# Altium PCB 4-PortUsbHub_PCB.PcbDoc (part 2 of 2)
Units mm, origin at the board's own origin, x right, y up, seen from the top; angles counter-clockwise.
Board outline 151.29 x 151.31 mm, 4 copper layers (L1 (Signal), L2 (GND), L3 (GND), L4 (Signal)), stack 1.591 mm thick; 58 components, 33 nets, 176 pads, 921 vias.
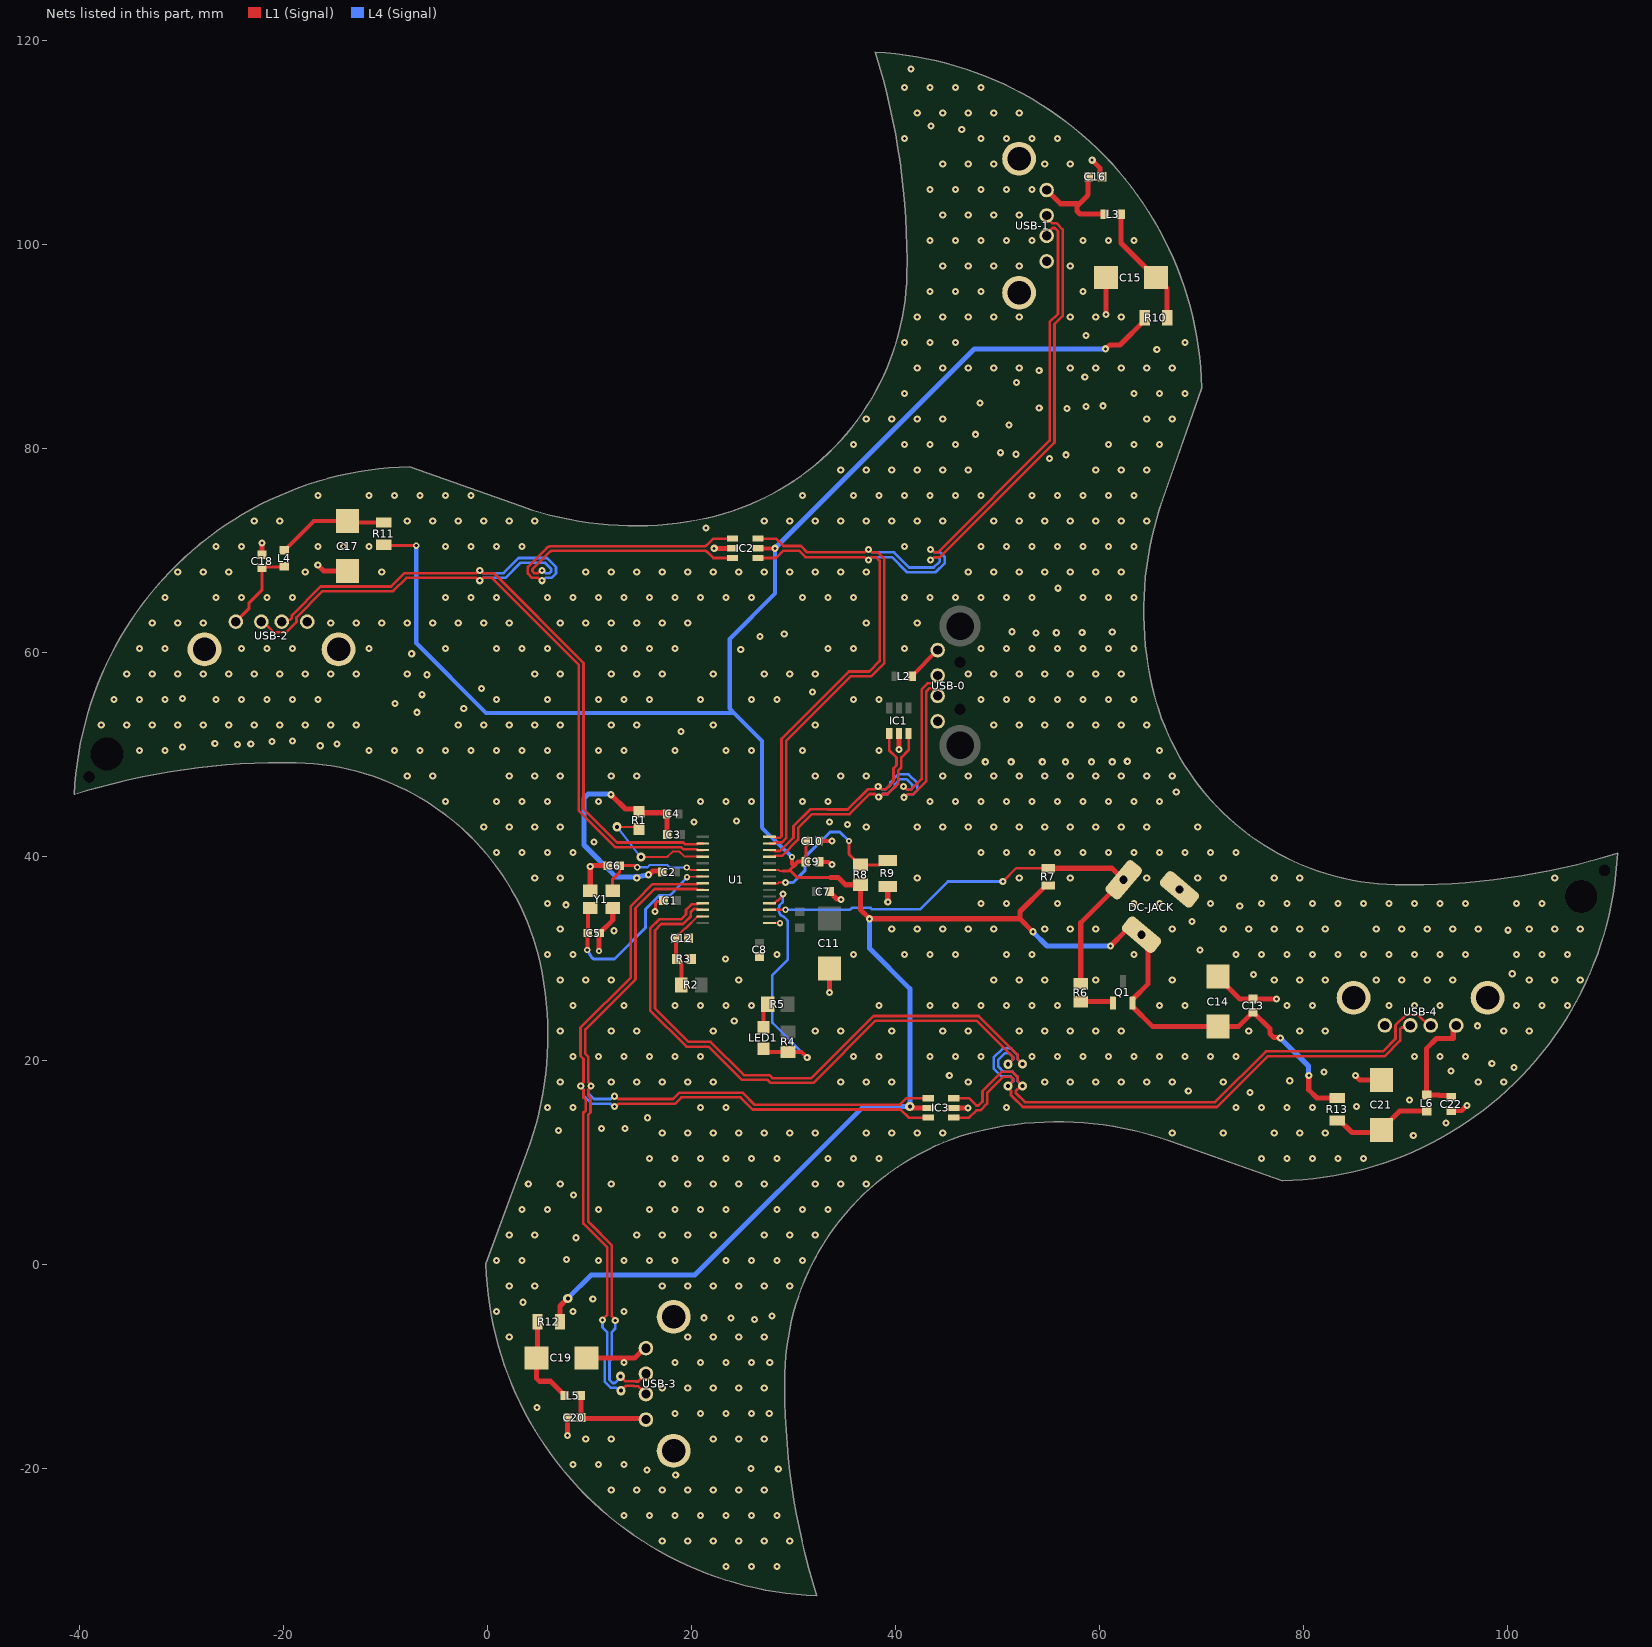
[diagram p4: the nets of this part, all layers, seen from the top]

## Via types
v1: diameter 0.7, hole 0.3, L1 (Signal) to L4 (Signal), 901 vias
v2: diameter 0.6, hole 0.3, L1 (Signal) to L4 (Signal), 10 vias
v3: diameter 0.9, hole 0.4, L1 (Signal) to L4 (Signal), 10 vias

## Nets (pads, with @x,y where several pads share a name; then routed paths per layer and width w, separated by ;. In a path a pad name is that pad's centre, name@x,y a point inside that pad or via, vN(x,y) a via of type N, cw(c..) or ccw(c..) an arc to the next point about the centre after c; other vN are vias at no path point) (continued)
GND: C1.1 C2.1 C3.1 C4.2 C5.1 C6.1 C7.1 C8.2 C9.1 C10.2 C11.2 C12.1 C13.2 C14.1 C15.2 C16.1 C17.2 C18.1 C19.2 C20.1 C21.2 C22.1 DC-JACK.2 IC1.2 IC2.2 IC3.2 R1.1 R3.2 R9.1 U1.15 USB-0.4 USB-1.04 USB-1.S1 USB-1.S2 USB-2.04 USB-2.S1 USB-2.S2 USB-3.04 USB-3.S1 USB-3.S2 USB-4.04 USB-4.S1 USB-4.S2 Y1.2 Y1.4 | length 80
  L1 (Signal) w0.2: U1.15@27.623,33.47 28.148,33.46 v2(28.641,33.453)
  L1 (Signal) w0.3: v1(16.372,34.596) 16.434,34.657 16.434,35.396 16.599,35.561 17.119,35.561 C1.1@17.221,35.663
  L1 (Signal) w0.4: C10.2@32.426,41.505 v1(33.746,41.505) ; C9.1@32.476,39.473 33.411,39.473 33.665,39.219 v1(33.746,39.219)
  L1 (Signal) w0.5: C18.1@-22.134,69.587 v1(-22.134,70.715) ; v1(-16.673,68.556) -16.091,67.974 C17.2@-13.752,67.974 ; v1(7.823,-16.788) C20.1@7.823,-15.01 ; C19.2@9.653,-9.168 14.39,-9.168 15.35,-8.208 USB-3.04@15.5,-8.208 ; Y1.2@10.04,36.64 v1(10.04,39.008) 10.094,39.008 10.178,39.092 C6.1@11.764,39.092 ; v2(10.886,30.71) 10.886,32.332 C5.1@10.955,32.488 10.978,32.488 12.24,33.75 Y1.4@12.24,34.94 ; v1(12.08,46.051) 13.488,44.643 14.567,44.643 R1.1@14.823,44.388 14.931,44.28 17.417,44.28 C4.2@17.525,44.172 17.556,44.141 17.556,42.171 C3.1@17.587,42.14 ; v1(15.763,38.203) 15.817,38.203 16.172,38.558 16.992,38.558 C2.1@17.094,38.457 C2.1@17.042,38.411 ; C12.1@19.522,31.838 C12.1@19.664,31.98 ; R3.2@19.719,30.165 R3.2@19.937,29.948 ; v1(22.189,70.207) IC2.2@23.987,70.207 ; v1(33.492,26.646) C11.2@33.492,29.022 ; C7.1@33.492,36.752 C7.1@33.507,36.552 33.507,36.527 34.206,35.828 34.597,35.828 v1(34.635,35.79) ; v1(39.207,35.536) R9.1@39.207,37.055 ; v1(40.299,50.496) IC1.2@40.299,52.04 ; IC3.2@45.664,15.343 v1(47.081,15.343) ; v1(59.248,108.256) 60.027,107.476 60.027,106.805 C16.1@60.202,106.63 ; v1(60.596,93.12) C15.2@60.596,96.75 ; C14.1@71.592,28.207 71.592,28.157 73.723,26.026 C13.2@75.021,26.026 77.292,26.026 v1(77.307,26.011) ; USB-4.S2@84.614,25.884 USB-4.S2@84.868,26.138 USB-4.S2@85.048,26.138 ; v1(85.054,18.518) 85.488,18.084 C21.2@87.594,18.084 ; USB-4.04@87.758,23.428 USB-4.04@87.938,23.428 ; C22.1@94.452,15.074 95.453,15.074 v1(95.976,15.597)
  L4 (Signal) w0.5: v1(12.08,46.051) 12.004,46.127 9.845,46.127 9.413,45.696 9.413,41.124 12.537,37.999 14.414,37.999 ccw(c14.414,38.499) 14.471,38.003 14.787,38.039 ccw(c14.696,38.838) 14.83,38.045 v1(15.763,38.203)
  other v1: 23.347,-29.616 25.847,-29.616 28.347,-29.616 17.097,-27.116 19.597,-27.116 22.097,-27.116 24.597,-27.116 27.097,-27.116 29.597,-27.116 13.347,-24.616 15.847,-24.616 18.347,-24.616 20.847,-24.616 23.347,-24.616 25.847,-24.616 28.347,-24.616 12.097,-22.116 14.597,-22.116 17.097,-22.116 19.597,-22.116 22.097,-22.116 24.597,-22.116 27.097,-22.116 18.415,-20.65 15.596,-20.168 28.473,-20.066 25.806,-20.015 8.347,-19.616 10.847,-19.616 13.347,-19.616 9.597,-17.116 12.097,-17.116 22.097,-17.116 24.597,-17.116 27.097,-17.116 27.584,-14.63 18.347,-14.616 20.847,-14.616 23.347,-14.616 25.847,-14.616 4.801,-14.021 17.097,-12.116 19.597,-12.116 22.097,-12.116 24.597,-12.116 27.097,-12.116 27.635,-9.627 13.347,-9.616 18.347,-9.616 20.847,-9.616 23.347,-9.616 25.847,-9.616 2.097,-7.116 19.597,-7.116 22.097,-7.116 24.597,-7.116 27.097,-7.116 26.137,-5.385 23.825,-5.258 21.184,-5.232 27.838,-5.055 0.847,-4.616 8.347,-4.616 13.347,-4.616 3.454,-3.708 10.287,-3.378 2.097,-2.116 4.597,-2.116 17.097,-2.116 19.597,-2.116 22.097,-2.116 24.597,-2.116 27.097,-2.116 29.597,-2.116 0.847,0.384 3.347,0.384 10.847,0.384 13.347,0.384 15.847,0.384 18.347,0.384 23.347,0.384 25.847,0.384 28.347,0.384 30.847,0.384 7.722,0.483 8.636,2.616 2.097,2.884 4.597,2.884 14.597,2.884 17.097,2.884 19.597,2.884 22.097,2.884 27.097,2.884 29.597,2.884 32.097,2.884 3.347,5.384 5.847,5.384 10.847,5.384 15.847,5.384 18.347,5.384 20.847,5.384 23.347,5.384 28.347,5.384 30.847,5.384 33.347,5.384 8.382,6.807 3.962,7.899 7.097,7.884 12.097,7.884 17.097,7.884 19.597,7.884 22.097,7.884 24.597,7.884 27.097,7.884 32.097,7.884 34.597,7.884 37.097,7.884 15.847,10.384 18.347,10.384 20.847,10.384 23.347,10.384 25.847,10.384 28.347,10.384 33.347,10.384 35.847,10.384 38.347,10.384 75.847,10.384 78.347,10.384 80.847,10.384 83.347,10.384 85.847,10.384 90.729,12.624 17.097,12.884 19.597,12.884 22.097,12.884 24.597,12.884 27.097,12.884 29.597,12.884 32.097,12.884 37.097,12.884 39.597,12.884 42.097,12.884 44.597,12.884 67.097,12.884 72.097,12.884 77.097,12.884 79.597,12.884 82.097,12.884 6.909,13.132 13.437,13.31 11.151,13.335 93.929,13.868 15.646,14.376 5.847,15.384 8.347,15.384 20.847,15.384 23.347,15.384 50.847,15.384 73.347,15.384 75.847,15.384 78.347,15.384 80.847,15.384 85.166,15.469 90.348,16.129 74.701,16.866 68.669,16.987 7.097,17.884 12.097,17.884 14.597,17.884 17.097,17.884 19.597,17.884 22.097,17.884 34.597,17.884 37.097,17.884 39.597,17.884 47.097,17.884 54.597,17.884 57.097,17.884 59.597,17.884 62.097,17.884 64.597,17.884 67.097,17.884 72.097,17.884 97.097,17.884 99.597,17.884 78.613,18.009 45.237,18.517 81.966,18.847 94.412,18.974 100.584,19.304 98.425,19.685 8.347,20.384 10.847,20.384 13.347,20.384 15.847,20.384 18.347,20.384 20.847,20.384 35.847,20.384 38.347,20.384 43.347,20.384 45.847,20.384 48.347,20.384 53.347,20.384 55.847,20.384 58.347,20.384 60.847,20.384 63.347,20.384 65.847,20.384 68.347,20.384 70.847,20.384 73.347,20.384 90.847,20.384 93.347,20.384 95.847,20.384 7.097,22.884 12.097,22.884 14.597,22.884 22.097,22.884 32.097,22.884 34.597,22.884 39.597,22.884 44.597,22.884 47.097,22.884 52.097,22.884 54.597,22.884 57.097,22.884 59.597,22.884 62.097,22.884 74.597,22.884 79.597,22.884 82.097,22.884 99.597,22.884 102.097,22.884 97.028,23.393 24.155,23.851 8.347,25.384 13.347,25.384 18.347,25.384 20.847,25.384 23.347,25.384 25.847,25.384 38.347,25.384 43.347,25.384 45.847,25.384 48.347,25.384 50.847,25.384 53.347,25.384 55.847,25.384 65.847,25.384 68.347,25.384 78.347,25.384 80.847,25.384 88.347,25.384 90.847,25.384 93.347,25.384 100.847,25.384 103.347,25.384 105.847,25.384 7.097,27.884 9.597,27.884 12.097,27.884 24.597,27.884 49.597,27.884 52.097,27.884 54.597,27.884 59.597,27.884 67.097,27.884 77.097,27.884 79.597,27.884 82.097,27.884 87.097,27.884 89.597,27.884 92.097,27.884 94.597,27.884 102.097,27.884 104.597,27.884 107.097,27.884 75.057,28.423 100.432,28.499 23.307,29.948 5.847,30.384 8.347,30.384 28.347,30.384 35.847,30.384 40.847,30.384 43.347,30.384 45.847,30.384 50.847,30.384 53.347,30.384 63.347,30.384 73.347,30.384 75.847,30.384 78.347,30.384 80.847,30.384 83.347,30.384 85.847,30.384 88.347,30.384 90.847,30.384 93.347,30.384 95.847,30.384 100.847,30.384 103.347,30.384 105.847,30.384 69.799,30.836 12.37,32.715 100,32.766 7.097,32.884 39.597,32.884 42.097,32.884 44.597,32.884 47.097,32.884 49.597,32.884 54.597,32.884 57.097,32.884 59.597,32.884 67.097,32.884 72.097,32.884 74.597,32.884 77.097,32.884 79.597,32.884 82.097,32.884 87.097,32.884 89.597,32.884 92.097,32.884 94.597,32.884 97.097,32.884 102.097,32.884 104.597,32.884 107.097,32.884 69.037,33.604 73.711,35.128 7.671,35.255 5.847,35.384 48.347,35.384 50.847,35.384 55.847,35.384 63.347,35.384 65.847,35.384 70.847,35.384 75.847,35.384 78.347,35.384 80.847,35.384 83.347,35.384 85.847,35.384 88.347,35.384 90.847,35.384 93.347,35.384 95.847,35.384 100.847,35.384 103.347,35.384 4.597,37.884 7.097,37.884 14.597,37.884 42.097,37.884 52.097,37.884 57.097,37.884 64.597,37.884 69.597,37.884 72.097,37.884 77.097,37.884 79.597,37.884 104.597,37.884 0.847,40.384 3.347,40.384 5.847,40.384 8.347,40.384 48.347,40.384 50.847,40.384 53.347,40.384 55.847,40.384 58.347,40.384 60.847,40.384 63.347,40.384 65.847,40.384 68.347,40.384 70.847,40.384 73.347,40.384 10.414,41.402 -0.403,42.884 2.097,42.884 4.597,42.884 7.097,42.884 37.097,42.884 42.097,42.884 44.597,42.884 47.097,42.884 49.597,42.884 52.097,42.884 54.597,42.884 57.097,42.884 59.597,42.884 62.097,42.884 64.597,42.884 69.597,42.884 35.255,43.129 20.218,43.358 33.503,43.383 24.384,43.459 -4.153,45.384 0.847,45.384 3.347,45.384 5.847,45.384 10.847,45.384 20.847,45.384 23.347,45.384 25.847,45.384 30.847,45.384 33.347,45.384 43.347,45.384 45.847,45.384 48.347,45.384 50.847,45.384 53.347,45.384 55.847,45.384 58.347,45.384 60.847,45.384 63.347,45.384 65.847,45.384 67.488,46.33 -7.903,47.884 -5.403,47.884 2.097,47.884 4.597,47.884 7.097,47.884 12.097,47.884 14.597,47.884 32.097,47.884 34.597,47.884 37.097,47.884 44.597,47.884 47.097,47.884 49.597,47.884 52.097,47.884 54.597,47.884 57.097,47.884 59.597,47.884 62.097,47.884 64.597,47.884 67.097,47.884 48.768,49.276 51.308,49.276 54.356,49.276 56.642,49.276 59.182,49.276 61.214,49.276 62.687,49.327 -34.153,50.384 -31.653,50.384 -11.653,50.384 -9.153,50.384 -6.653,50.384 -4.153,50.384 -1.653,50.384 0.847,50.384 3.347,50.384 5.847,50.384 10.847,50.384 13.347,50.384 18.347,50.384 23.347,50.384 25.847,50.384 30.847,50.384 38.347,50.384 65.847,50.384 -29.947,50.724 -16.434,50.851 -24.562,50.978 -23.241,51.029 -14.808,51.029 -26.772,51.054 -21.158,51.257 -19.152,51.308 18.948,52.248 -37.903,52.884 -35.403,52.884 -32.903,52.884 -30.403,52.884 -27.903,52.884 -25.403,52.884 -22.903,52.884 -20.403,52.884 -17.903,52.884 -15.403,52.884 -12.903,52.884 -2.903,52.884 -0.403,52.884 2.097,52.884 4.597,52.884 7.097,52.884 12.097,52.884 14.597,52.884 22.097,52.884 32.097,52.884 49.597,52.884 52.097,52.884 54.597,52.884 57.097,52.884 59.597,52.884 62.097,52.884 64.597,52.884 -6.934,54.127 -2.362,54.508 -9.119,54.991 -36.653,55.384 -34.153,55.384 -31.653,55.384 -26.653,55.384 -24.153,55.384 -21.653,55.384 -19.153,55.384 -16.653,55.384 0.847,55.384 5.847,55.384 10.847,55.384 13.347,55.384 15.847,55.384 20.847,55.384 25.847,55.384 28.347,55.384 35.847,55.384 38.347,55.384 48.347,55.384 50.847,55.384 53.347,55.384 55.847,55.384 58.347,55.384 60.847,55.384 63.347,55.384 -29.921,55.474 -6.452,55.855 31.826,56.109 -0.635,56.464 -5.969,57.81 -35.403,57.884 -32.903,57.884 -30.403,57.884 -27.903,57.884 -25.403,57.884 -22.903,57.884 -20.403,57.884 -17.903,57.884 -15.403,57.884 -12.903,57.884 -7.903,57.884 4.597,57.884 7.097,57.884 12.097,57.884 14.597,57.884 17.097,57.884 22.097,57.884 27.097,57.884 29.597,57.884 32.097,57.884 47.097,57.884 49.597,57.884 52.097,57.884 54.597,57.884 57.097,57.884 59.597,57.884 62.097,57.884 -7.468,59.868 24.79,60.274 -34.153,60.384 -31.653,60.384 -24.153,60.384 -21.653,60.384 -19.153,60.384 -11.653,60.384 -4.153,60.384 0.847,60.384 3.347,60.384 5.847,60.384 10.847,60.384 13.347,60.384 15.847,60.384 18.347,60.384 33.347,60.384 35.847,60.384 40.847,60.384 48.347,60.384 50.847,60.384 53.347,60.384 55.847,60.384 58.347,60.384 60.847,60.384 63.347,60.384 26.67,61.544 29.058,61.798 53.746,61.9 55.728,61.925 58.268,61.951 61.214,62.001 51.384,62.027 -32.903,62.884 -30.403,62.884 -27.903,62.884 -15.403,62.884 -12.903,62.884 -10.403,62.884 -7.903,62.884 -5.403,62.884 -2.903,62.884 -0.403,62.884 2.097,62.884 7.097,62.884 9.597,62.884 12.097,62.884 14.597,62.884 17.097,62.884 19.597,62.884 37.097,62.884 42.097,62.884 -31.653,65.384 -26.653,65.384 -24.153,65.384 -21.653,65.384 -19.153,65.384 -4.153,65.384 -1.653,65.384 0.847,65.384 5.847,65.384 8.347,65.384 10.847,65.384 13.347,65.384 15.847,65.384 18.347,65.384 20.847,65.384 23.347,65.384 25.847,65.384 30.847,65.384 33.347,65.384 35.847,65.384 40.847,65.384 43.347,65.384 45.847,65.384 48.347,65.384 50.847,65.384 53.347,65.384 58.347,65.384 60.847,65.384 63.347,65.384 55.88,66.294 -30.403,67.884 -27.903,67.884 -25.403,67.884 -17.903,67.884 -10.403,67.884 9.597,67.884 12.097,67.884 14.597,67.884 17.097,67.884 19.597,67.884 22.097,67.884 24.597,67.884 27.097,67.884 29.597,67.884 32.097,67.884 34.597,67.884 37.097,67.884 47.097,67.884 49.597,67.884 52.097,67.884 54.597,67.884 57.097,67.884 59.597,67.884 62.097,67.884 -26.653,70.384 -24.153,70.384 -16.653,70.384 -14.153,70.384 -11.653,70.384 -4.153,70.384 -1.653,70.384 0.847,70.384 3.347,70.384 40.847,70.384 48.347,70.384 50.847,70.384 53.347,70.384 55.847,70.384 58.347,70.384 60.847,70.384 63.347,70.384 21.387,72.187 -22.903,72.884 -20.403,72.884 -7.903,72.884 -5.403,72.884 -2.903,72.884 -0.403,72.884 2.097,72.884 4.597,72.884 27.097,72.884 29.597,72.884 32.097,72.884 34.597,72.884 37.097,72.884 39.597,72.884 42.097,72.884 44.597,72.884 49.597,72.884 52.097,72.884 54.597,72.884 57.097,72.884 59.597,72.884 62.097,72.884 64.597,72.884 -16.653,75.384 -11.653,75.384 -9.153,75.384 -6.653,75.384 -4.153,75.384 -1.653,75.384 30.847,75.384 35.847,75.384 38.347,75.384 40.847,75.384 43.347,75.384 45.847,75.384 48.347,75.384 53.347,75.384 55.847,75.384 58.347,75.384 60.847,75.384 63.347,75.384 34.597,77.884 37.097,77.884 39.597,77.884 42.097,77.884 44.597,77.884 47.097,77.884 59.597,77.884 62.097,77.884 64.597,77.884 55.067,78.994 56.693,79.375 51.791,79.426 50.241,79.578 35.847,80.384 40.847,80.384 43.347,80.384 45.847,80.384 60.847,80.384 63.347,80.384 65.847,80.384 47.803,81.382 51.105,82.296 37.097,82.884 39.597,82.884 42.097,82.884 44.597,82.884 64.597,82.884 67.097,82.884 56.769,83.922 54.051,83.947 58.623,84.125 60.3,84.176 48.235,84.455 40.847,85.384 63.347,85.384 65.847,85.384 68.347,85.384 51.816,86.462 58.522,86.995 54.051,87.655 42.097,87.884 44.597,87.884 47.097,87.884 49.597,87.884 52.097,87.884 57.097,87.884 59.597,87.884 62.097,87.884 64.597,87.884 67.097,87.884 65.583,89.713 40.847,90.384 43.347,90.384 45.847,90.384 68.347,90.384 58.649,91.084 42.097,92.884 44.597,92.884 47.097,92.884 49.597,92.884 52.097,92.884 57.097,92.884 59.597,92.884 62.097,92.884 43.347,95.384 45.847,95.384 48.347,95.384 58.347,95.384 44.597,97.884 47.097,97.884 49.597,97.884 52.097,97.884 57.097,97.884 43.347,100.384 45.847,100.384 48.347,100.384 50.847,100.384 53.347,100.384 58.347,100.384 60.847,100.384 63.347,100.384 44.597,102.884 47.097,102.884 49.597,102.884 52.097,102.884 43.347,105.384 45.847,105.384 48.347,105.384 50.847,105.384 53.347,105.384 44.597,107.884 47.097,107.884 49.597,107.884 54.597,107.884 57.097,107.884 40.847,110.384 48.347,110.384 50.847,110.384 53.347,110.384 55.847,110.384 46.457,111.252 43.434,111.608 42.097,112.884 44.597,112.884 47.097,112.884 49.597,112.884 52.097,112.884 40.847,115.384 43.347,115.384 45.847,115.384 48.347,115.384 41.478,117.196
LED: LED1.2 R5.1 | length 2.4
  L1 (Signal) w0.4: LED1.2@27.015,23.251 27.015,25.081 R5.1@27.437,25.503
MOSFET: Q1.1 R6.1 | length 3.3
  L1 (Signal) w0.5: R6.1@58.13,25.757 61.255,25.757 61.305,25.707 Q1.1@61.305,25.63
NOISE_PREV_1: C15.1 L3.1 R10.2 | length 12.1
  L1 (Signal) w0.5: L3.1@62.067,102.973 62.067,100.129 65.446,96.75 C15.1@65.496,96.75 65.546,96.75 66.596,95.7 R10.2@66.596,92.813
NOISE_PREV_2: C17.1 L4.1 R11.2 | length 11
  L1 (Signal) w0.4: L4.1@-19.975,70.011 -19.93,70.011 -17.067,72.874 C17.1@-13.752,72.874 -13.625,72.747 R11.2@-10.196,72.747
NOISE_PREV_3: C19.1 L5.1 R12.2 | length 9.1
  L1 (Signal) w0.5: R12.2@4.876,-5.612 4.876,-9.045 C19.1@4.753,-9.168 4.753,-11.161 5.046,-11.454 6.129,-11.454 7.311,-12.636 7.356,-12.636 7.526,-12.806 L5.1@7.526,-12.851
NOISE_PREV_4: C21.1 L6.1 R13.2 | length 10.1
  L1 (Signal) w0.5: R13.2@83.276,14.116 83.526,14.116 84.712,12.93 87.29,12.93 89.391,15.03 L6.1@92.039,15.03
OVCUR1#: R8.1 R9.2 U1.21 | length 16.7
  L1 (Signal) w0.2: U1.21@27.623,37.37 27.633,37.36 28.458,37.36 28.539,37.441 v1(29.174,37.441)
  L1 (Signal) w0.3: v2(35.397,41.505) 35.397,40.221 36.438,39.18 R8.1@36.54,39.18 38.407,39.18 38.832,39.605 R9.2@39.207,39.605
  L4 (Signal) w0.3: v1(29.174,37.441) 29.936,37.441 31.079,38.584 31.079,39.904 33.569,42.394 34.508,42.394 v2(35.397,41.505)
PGANG: LED1.1 R4.1 U1.18 | length 25
  L1 (Signal) w0.25: U1.18@27.623,35.42 28.108,35.42 28.323,35.635 28.383,35.635 28.834,36.086 28.834,36.212 v1(28.92,36.298)
  L1 (Signal) w0.4: LED1.1@27.015,21.151 27.346,20.82 R4.1@29.428,20.82 30.753,20.82 31.302,20.27 v1(31.308,20.27)
  L4 (Signal) w0.25: 27.934,23.644 v1(31.308,20.27) ; 27.933,23.645 cw(c28.111,23.821) 27.861,23.821 27.871,26.999 ccw(c27.142,27.001) 27.871,27.008 27.861,28.035 cw(c28.59,28.043) 27.861,28.043 27.861,28.241 cw(c28.111,28.241) 27.934,28.418 29.415,29.899 29.415,33.682 29.061,34.036 ccw(c28.884,33.859) 29.011,34.075 28.825,34.185 28.822,34.186 cw(c29.17,34.77) 28.508,34.922 28.551,35.109 cw(c28.795,35.053) 28.618,35.23 28.92,35.532 v1(28.92,36.298)
PSELF: DC-JACK.3 R6.2 R7.1 U1.17 | length 48.9
  L1 (Signal) w0.25: U1.17@27.623,34.77 v2(29.17,34.77) ; v1(50.485,37.542) 51.78,38.838 R7.1@54.955,38.838
  L1 (Signal) w0.5: R7.1@54.955,38.838 61.201,38.838 DC-JACK.3@62.333,37.706 58.13,33.503 R6.2@58.13,27.507
  L4 (Signal) w0.25: v2(29.17,34.77) 35.419,34.774 ccw(c35.42,35.024) 35.597,34.847 35.702,34.951 37.533,34.951 37.678,34.807 42.364,34.807 45.1,37.542 v1(50.485,37.542)
RESET#: C12.2 R2.1 R3.1 U1.13 | length 8.4
  L1 (Signal) w0.2: C12.2@18.364,31.98 18.364,32.005 19.296,32.937 19.375,32.937 20.558,34.12 U1.13@21.073,34.12
  L1 (Signal) w0.4: C12.2@18.364,31.98 18.435,31.909 18.435,30.019 R3.1@18.506,29.948 18.506,29.934 18.965,29.475 R2.1@18.965,27.408
RREF: R1.2 U1.4 | length 12.5
  L1 (Signal) w0.2: v3(12.664,42.902) 14.607,42.902 R1.2@14.823,42.686 ; v3(15.001,39.93) 17.528,39.951 ccw(c17.527,40.151) 17.7,40.052 18.113,40.464 18.789,40.464 19.284,39.97 U1.4@21.073,39.97
  L4 (Signal) w0.2: v3(12.664,42.902) v3(15.001,39.93)
USB_0_VCC: L2.1 USB-0.1 | length 3.6
  L1 (Signal) w0.4: L2.1@41.577,57.659 41.577,57.704 44.094,60.221 USB-0.1@44.094,60.233
USB_1_VCC: C16.2 L3.2 USB-1.01 | length 10.7
  L1 (Signal) w0.5: USB-1.01@54.786,105.334 56.131,103.989 58.003,103.989 ; C16.2@58.89,106.455 C16.2@59.065,106.63 ; C16.2@58.902,106.63 58.841,106.569 58.841,105.034 cw(c58.341,105.034) 58.695,104.68 58.003,103.989 ; L3.2@60.485,102.973 58.042,102.973 57.749,103.266 57.749,103.735 58.003,103.989
USB_2_VCC: C18.2 L4.2 USB-2.01 | length 8.6
  L1 (Signal) w0.3: USB-2.01@-24.711,63.011 -23.404,64.318 -23.404,64.873 -22.134,66.143 C18.2@-22.134,68.287 -22.063,68.358 -20.046,68.358 L4.2@-19.975,68.429
USB_3_VCC: C20.2 L5.2 USB-3.01 | length 8.6
  L1 (Signal) w0.5: L5.2@9.108,-12.851 9.115,-12.859 9.115,-15.003 C20.2@9.123,-15.01 9.222,-15.109 15.401,-15.109 USB-3.01@15.5,-15.208
USB_4_VCC: C22.2 L6.2 USB-4.01 | length 11.5
  L1 (Signal) w0.5: C22.2@94.452,16.374 94.277,16.549 93.318,16.549 93.254,16.613 L6.2@92.039,16.613 92.039,21.185 93.013,22.159 94.645,22.159 94.645,23.135 USB-4.01@94.938,23.428
USB_D0_N: IC1.3 U1.25 USB-0.2 | length 41.2
  L1 (Signal) w0.261: U1.25@27.623,39.97 28.097,39.97 28.19,40.063 28.833,40.063 30.423,41.652 30.423,42.771 31.797,44.145 33.114,44.145 33.12,44.139 35.463,44.139 37.435,46.111 37.946,46.111 38.234,45.823 v1(38.318,45.823) 38.402,45.823 38.69,46.111 39.194,46.111 40.234,47.151 40.234,48.444 40.531,48.741 40.531,49.69 41.249,50.407 IC1.3@41.249,52.04 ; v1@40.533,46.745 ccw(c40.428,46.984) 40.54,46.748 v1(40.731,46.839) 40.815,46.839 41.103,46.55 41.481,46.55 42.522,47.591 42.522,56.384 43.103,56.965 43.512,56.965 44.094,57.547 USB-0.2@44.094,57.733
  L4 (Signal) w0.261: v1(38.318,45.823) 38.402,45.823 38.69,46.111 39.194,46.111 39.917,46.834 39.917,47.073 40.424,47.58 41.038,47.58 41.634,46.984 41.634,46.703 41.481,46.55 41.103,46.55 40.815,46.839 v1(40.731,46.839)
USB_D0_P: IC1.1 U1.26 USB-0.3 | length 41.7
  L1 (Signal) w0.261: U1.26@27.623,40.62 28.097,40.62 28.19,40.527 28.641,40.527 29.959,41.844 29.959,42.963 31.605,44.609 33.307,44.609 33.312,44.603 35.271,44.603 37.243,46.576 37.895,46.576 38.183,46.864 v1(38.267,46.864) 38.351,46.864 38.64,46.576 39.002,46.576 39.77,47.344 39.77,48.636 40.067,48.933 40.067,49.69 39.349,50.407 IC1.1@39.349,52.04 ; v1(40.782,45.797) 40.866,45.797 41.154,46.086 41.673,46.086 42.986,47.399 42.986,56.192 43.296,56.501 43.512,56.501 44.094,55.92 USB-0.3@44.094,55.733
  L4 (Signal) w0.261: v1(38.267,46.864) 38.351,46.864 38.64,46.576 39.002,46.576 39.452,47.026 39.452,47.266 40.231,48.045 41.23,48.045 42.098,47.177 42.098,46.511 41.673,46.086 41.154,46.086 40.866,45.797 v1(40.782,45.797)
USB_D1_N: IC2.6 U1.27 USB-1.02 | length 97.6
  L1 (Signal) w0.261: IC2.6@26.487,71.157 28.247,71.157 28.965,70.439 30.676,70.439 31.311,69.804 36.93,69.804 37.205,70.08 v1(37.302,70.08) 37.398,70.08 37.674,69.804 38.229,69.804 38.874,69.158 38.874,58.949 37.595,57.67 35.582,57.67 29.747,51.835 29.25,51.338 29.25,41.787 28.825,41.363 28.19,41.363 28.097,41.27 U1.27@27.623,41.27 ; v1(43.398,69.064) 43.494,69.064 43.77,69.34 44.325,69.34 55.546,80.561 55.546,92.179 56.356,92.988 56.356,101.484 55.774,102.066 55.365,102.066 54.786,102.645 USB-1.02@54.786,102.834
  L4 (Signal) w0.261: v1(37.302,70.08) 37.398,70.08 37.674,69.804 39.819,69.804 41.301,68.322 43.705,68.322 44.314,68.931 44.314,69.187 44.161,69.34 43.77,69.34 43.494,69.064 v1(43.398,69.064)
USB_D1_P: IC2.4 U1.28 USB-1.03 | length 96
  L1 (Signal) w0.261: IC2.4@26.487,69.257 28.247,69.257 28.965,69.975 30.484,69.975 31.119,69.34 36.93,69.34 37.205,69.064 v1(37.302,69.064) 37.398,69.064 37.674,69.34 38.036,69.34 38.41,68.966 38.41,59.142 37.403,58.135 35.39,58.135 29.555,52.3 28.785,51.53 28.785,41.98 28.632,41.827 28.19,41.827 28.097,41.92 U1.28@27.623,41.92 ; v1(43.398,70.08) 43.494,70.08 43.77,69.804 44.132,69.804 55.082,80.753 55.082,92.371 55.892,93.181 55.892,101.292 55.582,101.602 55.365,101.602 54.786,101.022 USB-1.03@54.786,100.834
  L4 (Signal) w0.261: v1(37.302,69.064) 37.398,69.064 37.674,69.34 39.627,69.34 41.108,67.858 43.897,67.858 44.778,68.738 44.778,69.379 44.353,69.804 43.77,69.804 43.494,70.08 v1(43.398,70.08)
USB_D2_N: IC2.3 U1.3 USB-2.02 | length 97.2
  L1 (Signal) w0.261: USB-2.02@-22.211,63.011 -22.023,63.011 -20.978,61.966 -19.778,61.966 -18.756,62.989 -18.756,63.443 -16.195,66.004 -9.284,66.004 -7.981,67.308 -2.805,67.308 -1.17,67.308 -0.895,67.032 v1(-0.798,67.032) -0.702,67.032 -0.426,67.308 0.385,67.308 8.916,58.777 8.916,44.469 12.49,40.895 18.968,40.895 19.15,40.713 20.506,40.713 20.599,40.62 U1.3@21.073,40.62 ; v1(5.298,68.048) 5.201,68.048 4.926,67.772 4.535,67.772 4.382,67.925 4.382,68.181 6.078,69.876 cw(c6.262,69.692) 6.262,69.953 21.296,69.953 cw(c21.296,69.692) 21.48,69.876 21.617,69.74 22.1,69.257 IC2.3@23.987,69.257
  L4 (Signal) w0.261: v1(-0.798,67.032) -0.702,67.032 -0.426,67.308 1.719,67.308 3.201,68.789 5.605,68.789 6.214,68.181 6.214,67.925 6.061,67.772 5.67,67.772 5.394,68.048 v1(5.298,68.048)
USB_D2_P: IC2.1 U1.2 USB-2.03 | length 97.4
  L1 (Signal) w0.261: USB-2.03@-20.211,63.011 -20.008,63.214 -19.373,63.214 -19.22,63.367 -19.22,63.636 -16.387,66.468 -9.477,66.468 -8.173,67.772 -3.719,67.772 -1.17,67.772 -0.895,68.048 v1(-0.798,68.048) -0.702,68.048 -0.426,67.772 0.577,67.772 9.38,58.969 9.38,44.662 11.403,42.639 12.682,41.359 19.16,41.359 19.342,41.177 20.506,41.177 20.599,41.27 U1.2@21.073,41.27 ; v1(5.298,67.032) 5.201,67.032 4.926,67.308 4.343,67.308 3.918,67.732 3.918,68.373 5.749,70.205 cw(c6.262,69.692) 6.262,70.417 21.252,70.417 ccw(c21.252,70.678) 21.437,70.493 22.1,71.157 IC2.1@23.987,71.157
  L4 (Signal) w0.261: v1(-0.798,68.048) -0.702,68.048 -0.426,67.772 1.527,67.772 3.008,69.254 5.797,69.254 6.678,68.373 6.678,67.732 6.253,67.308 5.67,67.308 5.394,67.032 v1(5.298,67.032)
USB_D3_N: IC3.6 U1.8 USB-3.02 | length 100.1
  L1 (Signal) w0.261: v1(11.242,-5.435) 11.242,-5.402 11.692,-4.952 11.692,1.685 9.362,4.015 9.362,14.929 9.449,14.929 9.602,15.082 9.602,16.127 9.384,16.344 9.384,17.129 9.108,17.405 v1(9.108,17.502) 9.108,17.598 9.384,17.874 9.384,20.156 9.088,20.452 9.088,23.218 14.013,28.143 14.013,35.128 14.504,35.619 16.161,37.277 20.506,37.277 20.599,37.37 U1.8@21.073,37.37 ; v1(12.41,15.47) 12.506,15.47 12.782,15.746 18.33,15.746 18.965,16.381 24.772,16.381 25.963,15.19 40.466,15.19 41.263,14.393 IC3.6@43.164,14.393 ; v3(13.045,-12.38) 13.517,-11.908 14.283,-11.908 14.316,-11.94 14.732,-11.94 USB-3.02@15.5,-12.708
  L4 (Signal) w0.261: v1(9.108,17.502) 9.108,17.405 9.384,17.129 9.384,16.575 10.213,15.746 12.038,15.746 12.313,15.47 v1(12.41,15.47) ; v1(11.242,-5.435) 11.242,-6.188 11.692,-6.638 11.692,-9.03 11.466,-9.255 11.466,-11.516 12.034,-12.084 12.576,-12.084 12.872,-12.38 v3(13.045,-12.38)
USB_D3_P: IC3.4 U1.9 USB-3.03 | length 97.8
  L1 (Signal) w0.261: v1(12.41,16.486) 12.506,16.486 12.782,16.21 18.137,16.21 18.772,16.845 24.964,16.845 26.155,15.654 40.378,15.654 40.531,15.807 40.531,15.815 41.02,16.304 43.152,16.304 IC3.4@43.164,16.293 ; v1(12.486,-5.511) 12.486,-5.392 12.156,-5.062 12.156,1.878 10.039,3.995 9.902,4.131 cw(c10.087,4.315) 9.826,4.315 9.826,14.65 10.066,14.89 10.066,16.319 9.848,16.537 9.848,17.129 10.124,17.405 v1(10.124,17.502) 10.124,17.598 9.848,17.874 9.848,20.348 9.552,20.644 9.552,23.026 14.477,27.951 14.477,34.936 16.354,36.813 20.506,36.813 20.599,36.72 U1.9@21.073,36.72 ; v3(12.994,-10.972) 13.467,-11.444 14.476,-11.444 14.508,-11.476 14.732,-11.476 USB-3.03@15.5,-10.708
  L4 (Signal) w0.261: v1(10.124,17.502) 10.124,17.405 9.848,17.129 9.848,16.767 10.405,16.21 12.038,16.21 12.313,16.486 v1(12.41,16.486) ; v1(12.486,-5.511) 12.486,-6.308 12.156,-6.638 12.156,-9.222 11.93,-9.448 11.93,-11.323 12.227,-11.619 12.443,-11.619 12.994,-11.068 v3(12.994,-10.972)
USB_D4_N: IC3.3 U1.11 USB-4.02 | length 121.4
  L1 (Signal) w0.261: U1.11@21.073,35.42 20.599,35.42 20.506,35.327 19.993,35.327 19.426,34.76 19.426,34.319 19.076,33.968 18.94,33.832 16.802,33.832 15.918,32.947 15.918,24.903 19.466,21.354 21.632,21.354 24.899,18.088 27.423,18.088 27.576,17.935 27.712,17.799 31.906,17.799 38.001,23.894 47.917,23.894 51.477,20.335 51.477,20.101 v3@51.005,19.628 ; IC3.3@45.664,16.293 47.17,16.293 47.888,15.575 48.104,15.575 48.491,15.962 48.491,16.994 50.375,18.878 51.45,18.878 51.941,18.386 51.941,17.974 52.414,17.502 52.253,17.502 51.754,17.003 51.754,16.787 52.639,15.901 71.287,15.901 76.273,20.887 87.746,20.887 88.982,22.124 88.982,23.449 90.005,24.472 91.205,24.472 92.25,23.428 USB-4.02@92.438,23.428
  L4 (Signal) w0.261: v3@51.005,19.628 51.477,20.101 51.477,20.335 51.097,20.715 50.69,20.715 50.051,20.076 50.051,19.379 50.544,18.886 51.442,18.886 51.941,18.386 51.941,17.974 v3@52.414,17.502
  other v3: 52.415,17.502 51.004,19.628
USB_D4_P: IC3.1 U1.12 USB-4.03 | length 119.1
  L1 (Signal) w0.261: U1.12@21.073,34.77 20.599,34.77 20.506,34.863 20.185,34.863 19.891,34.568 19.891,34.126 19.268,33.504 19.132,33.368 16.995,33.368 16.382,32.755 16.382,25.095 19.658,21.819 21.825,21.819 25.091,18.553 27.615,18.553 27.904,18.264 31.714,18.264 37.809,24.359 48.11,24.359 51.941,20.527 51.941,20.133 v3@52.414,19.661 ; IC3.1@45.664,14.393 47.17,14.393 47.888,15.111 48.296,15.111 48.956,15.77 48.956,16.801 50.568,18.413 51.258,18.413 51.477,18.194 51.477,17.959 51.005,17.487 51.004,17.314 51.29,17.028 51.29,16.594 51.397,16.487 52.447,15.437 71.479,15.437 76.465,20.423 87.938,20.423 89.447,21.931 89.447,23.072 89.6,23.224 90.235,23.224 USB-4.03@90.438,23.428
  L4 (Signal) w0.261: v3@51.005,17.487 51.477,17.959 51.477,18.194 51.249,18.421 50.352,18.421 49.587,19.186 49.587,20.268 50.498,21.179 51.289,21.179 51.941,20.527 51.941,20.133 v3@52.414,19.661
  other v3: 51.004,17.487 52.415,19.661
VCC: C9.2 C10.1 C13.1 C14.2 DC-JACK.1 IC2.5 IC3.5 Q1.2 R7.2 R8.2 R10.1 R11.1 R12.1 R13.1 U1.23 | length 280.5
  L1 (Signal) w0.2: U1.23@27.623,38.67 28.524,38.67 28.628,38.566 28.879,38.566
  L1 (Signal) w0.3: R11.1@-10.196,70.547 -10.11,70.461 v2(-7.021,70.461) ; 28.879,38.566 29.487,38.566 29.59,38.67 ; 30.004,39.084 29.59,38.67 ; C9.2@31.201,39.498 31.201,41.48 C10.1@31.226,41.505 ; 33.619,37.949 30.311,37.949 29.59,38.67
  L1 (Signal) w0.4: IC2.5@26.487,70.207 v1(28.158,70.207) ; v2(29.834,39.955) 29.828,39.713 ccw(c30.228,39.702) 29.828,39.702 29.828,39.26 30.004,39.084 30.418,39.498 C9.2@31.201,39.498
  L1 (Signal) w0.5: R12.1@7.076,-5.612 7.076,-4.088 v3(7.838,-3.326) ; 33.619,37.949 34.336,37.949 35.059,37.226 R8.2@36.54,37.226 36.54,34.774 v1(37.429,33.885) 52.161,33.885 ; v3(41.366,15.47) 41.474,15.47 41.601,15.343 IC3.5@43.164,15.343 ; v1(53.431,32.615) 52.161,33.885 ; R7.2@54.955,37.136 54.704,37.136 52.161,34.593 52.161,33.885 ; v1(60.543,89.765) 60.597,89.765 60.978,90.146 61.979,90.146 64.396,92.563 R10.1@64.396,92.813 ; v1(61.051,31.218) 62.538,32.705 63.699,32.705 DC-JACK.1@64.081,32.322 64.734,31.67 64.734,27.509 63.205,25.98 Q1.2@63.205,25.63 63.205,25.28 65.178,23.307 C14.2@71.592,23.307 73.577,23.307 74.996,24.726 C13.1@75.021,24.726 75.046,24.726 76.672,23.1 76.672,22.621 77.054,22.239 77.65,22.239 v1(77.688,22.201) ; v1@80.52,18.479 v1(80.482,18.518) 80.482,17.121 81.287,16.316 R13.1@83.276,16.316
  L4 (Signal) w0.4: v2(-7.021,70.461) -7.021,60.936 -0.163,54.078 24.114,54.078 ; v1(28.158,70.207) 28.158,65.762 23.713,61.317 23.713,54.478 24.114,54.078 ; v2(29.834,39.955) 27.013,42.646 cw(c27.288,42.936) 26.888,42.936 26.888,51.303 24.114,54.078
  L4 (Signal) w0.5: v3(7.838,-3.326) 10.124,-1.04 20.284,-1.04 36.794,15.47 v3(41.366,15.47) 41.366,27.027 37.429,30.964 v1(37.429,33.885) ; v1(28.158,70.207) 47.716,89.765 v1(60.543,89.765) ; v1(53.431,32.615) 54.828,31.218 v1(61.051,31.218) ; v1(77.688,22.201) 80.444,19.445 80.444,18.556 v1(80.482,18.518)
XTAL_IN: C6.2 U1.6 Y1.1 | length 11.2
  L1 (Signal) w0.2: v2(19.497,38.914) 19.605,38.914 19.849,38.67 U1.6@21.073,38.67
  L1 (Signal) w0.3: Y1.1@12.24,36.64 12.24,37.763 12.831,38.354 ccw(c12.618,38.565) 12.918,38.565 C6.2@12.918,39.092 14.412,39.092 14.564,38.939 v2(14.645,38.939)
  L4 (Signal) w0.2: v2(14.645,38.939) 15.667,38.939 15.889,39.161 17.589,39.161 17.855,38.894 19.477,38.894 v2(19.497,38.914)
XTAL_OUT: C5.2 U1.7 Y1.3 | length 20.5
  L1 (Signal) w0.2: v2(19.522,37.961) 20.374,38.029 cw(c20.39,37.83) 20.39,38.03 21.063,38.03 U1.7@21.073,38.02
  L1 (Signal) w0.4: v2(9.743,30.837) 9.772,30.866 9.772,32.459 C5.2@9.801,32.488 9.801,34.701 Y1.3@10.04,34.94
  L4 (Signal) w0.3: v2(9.743,30.837) 10.195,30.092 ccw(c10.451,30.248) 10.26,30.016 ccw(c10.451,30.248) 10.451,29.948 12.41,29.948 15.458,32.996 15.458,34.824 16.795,36.161 17.737,36.161 ccw(c17.737,36.461) 17.958,36.258 v2(19.522,37.961)
pads on no net: Designator5.MH Designator6.MH Designator7.TH Designator8.TH IC1.4 IC1.6 U1.14 U1.19 U1.20 U1.22 USB-0.MH1 USB-0.MH2 USB-0.MH3 USB-0.MH4

## Polygon pours and split planes (outlines as drawn)
DVDD on L1 (Signal) "DVDD_L01_P002" (solid, pour order 2): 29.682,34.012 29.936,33.758 31.841,33.758 32.222,33.377 32.222,32.615 34.889,32.615 35.143,32.869 35.143,35.409 33.238,35.409 32.73,35.917 32.73,37.441 31.46,37.441 31.333,37.568 30.571,37.568 29.682,36.679 29.682,35.282
GND on L1 (Signal) "GND_L01_P008" (solid, pour order 8): 23.266,29.186 23.434,29.353 23.434,29.389 26.812,29.389 27.269,29.846 27.269,30.71 20.919,30.71 20.411,31.218 20.411,32.234 20.157,32.488 19.141,32.488 19.014,32.361 19.014,30.837 19.395,30.456 19.395,29.435 19.644,29.186
GND on L3 (GND) "GND_L03_P001" (solid, pour order 1): -0.205,0.033 3.833,10.955 ccw(c-27.266,22.452) 5.126,29.527 ccw(c-19.282,24.196) -18.774,49.174 ccw(c-20.161,-18.991) -40.542,46.071 cw(c-6.952,44.58) -7.68,78.195 3.296,74.31 ccw(c14.358,105.566) 21.433,73.174 ccw(c16.102,97.582) 41.081,97.074 ccw(c-27.085,98.461) 37.981,118.831 cw(c36.353,85.247) 69.969,85.929 66.141,74.934 ccw(c97.453,64.031) 65.08,56.864 ccw(c89.488,62.198) 88.98,37.219 ccw(c90.367,105.385) 110.748,40.323 cw(c77.158,41.814) 77.886,8.199 66.911,12.084 ccw(c55.848,-19.172) 48.773,13.22 ccw(c54.104,-11.188) 29.126,-10.68 ccw(c97.291,-12.067) 32.237,-32.475 cw(c33.4,1.128)
GND on L2 (GND) "GND_L02_P000" (solid, pour order 0): -0.205,0.033 3.833,10.955 ccw(c-27.266,22.452) 5.126,29.527 ccw(c-19.282,24.196) -18.774,49.174 ccw(c-20.161,-18.991) -40.542,46.071 cw(c-6.952,44.58) -7.68,78.195 3.296,74.31 ccw(c14.358,105.566) 21.433,73.174 ccw(c16.102,97.582) 41.081,97.074 ccw(c-27.085,98.461) 37.981,118.831 cw(c36.353,85.247) 69.969,85.929 66.141,74.934 ccw(c97.453,64.031) 65.08,56.864 ccw(c89.488,62.198) 88.98,37.219 ccw(c90.367,105.385) 110.748,40.323 cw(c77.158,41.814) 77.886,8.199 66.911,12.084 ccw(c55.848,-19.172) 48.773,13.22 ccw(c54.104,-11.188) 29.126,-10.68 ccw(c97.291,-12.067) 32.237,-32.475 cw(c33.4,1.128)

## Silkscreen, mask and mechanical layers (free items; w line width, h text height)
Top Overlay:
  drawing of 10 lines, arcs and shapes, not listed
Mechanical 1:
  lines w0.02: -174.855,126.606 cw(c-141.265,125.115) -141.993,158.73 -131.017,154.845 ccw(c-119.954,186.101) -112.879,153.708 ccw(c-118.21,178.117) -93.232,177.608 ccw(c-161.398,178.995) -96.332,199.366 cw(c-97.959,165.782) -64.343,166.463 -68.172,155.469 ccw(c-36.86,144.565) -69.232,137.399 ccw(c-44.824,142.733) -45.333,117.754 ccw(c-43.946,185.92) -23.564,120.858 cw(c-57.154,122.349) -56.426,88.734 -67.402,92.618 ccw(c-78.465,61.363) -85.54,93.755 ccw(c-80.208,69.347) -105.187,69.855 ccw(c-37.021,68.468) -102.075,48.06 cw(c-100.912,81.662) -134.518,80.568 -130.48,91.489 ccw(c-161.578,102.987) -129.186,110.062 ccw(c-153.594,104.731) -153.086,129.709 ccw(c-154.473,61.543) -174.855,126.606